# Altium PCB slave.PcbDoc (part 1 of 5) (continued)
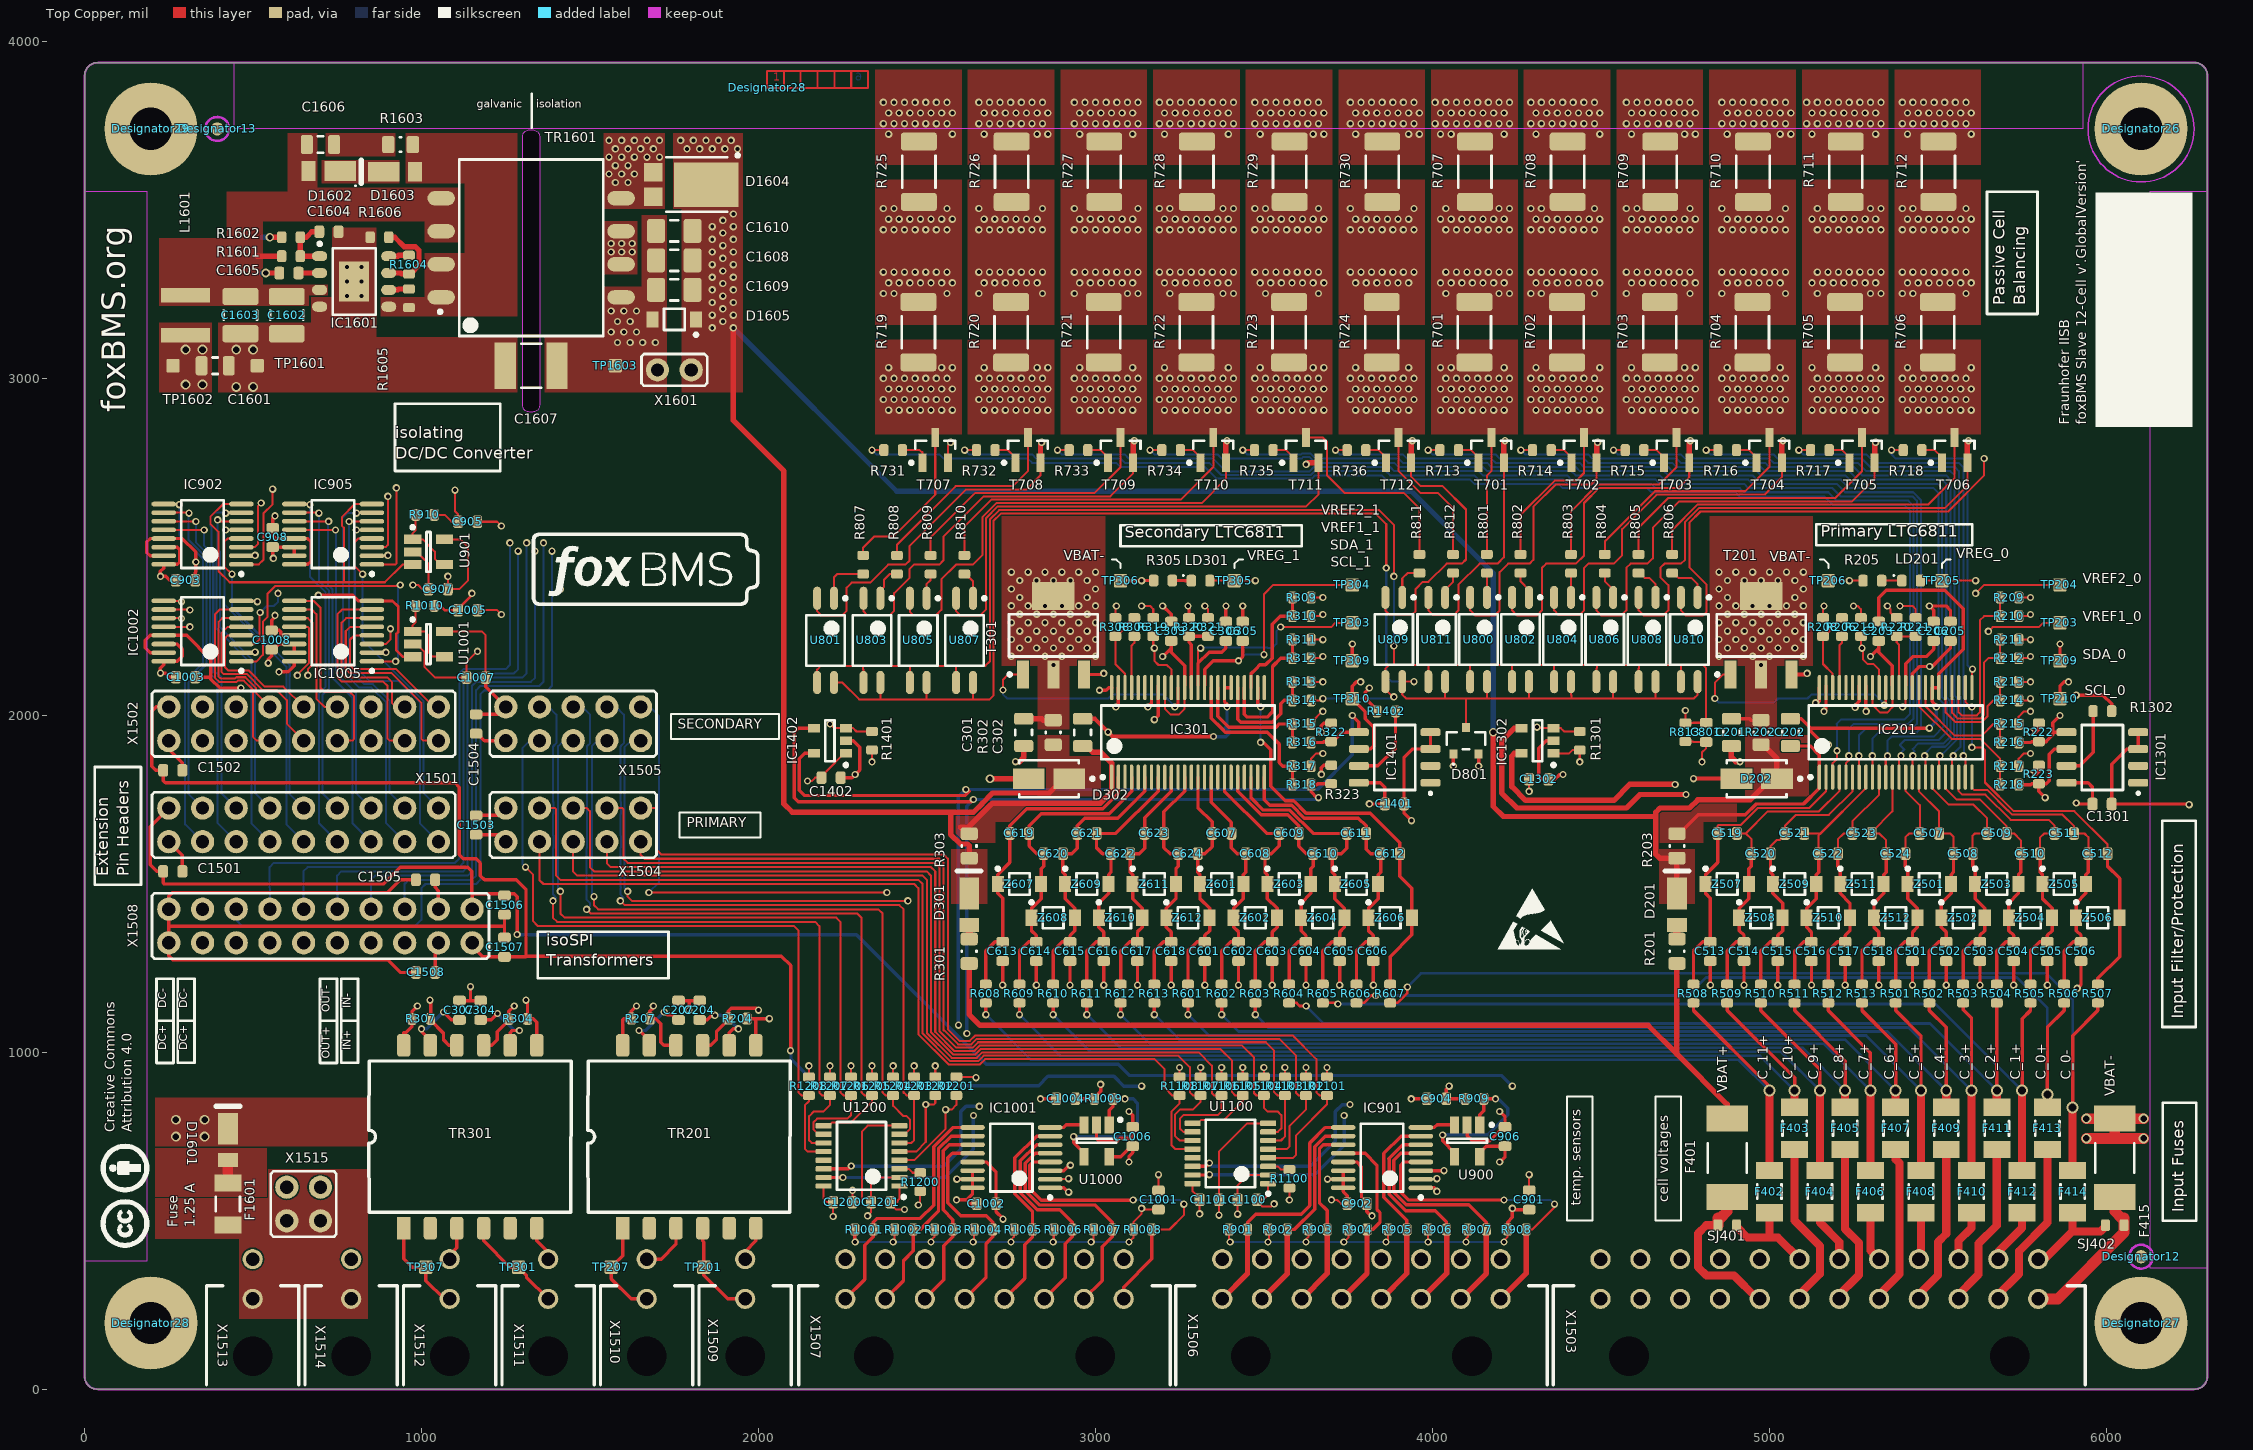
[diagram p0: Top Copper view]
## Components (designator, comment, footprint, x,y, rotation, side; value= is the part's Value field where it differs from the comment) (continued)
R206 "820R" RESC1608X05N 5214.84,2262.01 r270 top locked
R207 "120R" RESC1608X05N 1650,1100 r0 top locked
R208 "1k21" RESC1608X05N 5158.59,2262.01 r270 top locked
R209 "0R" RESC1608X05N 5711.71,2349.51 r180 top locked
R210 "0R" RESC1608X05N 5711.71,2294.51 r180 top locked
R211 "0R" RESC1608X05N 5711.71,2224.51 r180 top locked
R212 "0R" RESC1608X05N 5711.71,2169.51 r180 top locked
R213 "0R" RESC1608X05N 5711.71,2099.51 r180 top locked
R214 "0R" RESC1608X05N 5711.71,2044.51 r180 top locked
R215 "0R" RESC1608X05N 5711.71,1974.51 r180 top locked
R216 "0R" RESC1608X05N 5711.71,1919.51 r180 top locked
R217 "0R" RESC1608X05N 5711.71,1849.51 r180 top locked
R218 "0R" RESC1608X05N 5711.71,1794.51 r180 top locked
R219 "1M" RESC1608X05N 5271.09,2262.01 r90 top locked
R220 "0R" RESC1608X05N 5377.34,2262.01 r270 top locked
R221 "0R" RESC1608X05N 5433.59,2262.01 r90 top locked
R222 "1k2" RESC1608X05N 5799.21,1949.51 r90 top locked
R223 "1k2" RESC1608X05N 5799.21,1824.51 r90 top locked
R301 "0R" RESC2012X05N 2625,1300 r90 top locked
R302 "100R" RESC2012X05N 2874.21,1949.51 r270 top locked
R303 "100R" RESC2012X05N 2625,1612.5 r90 top locked
R304 "120R" RESC1608X05N 1286.71,1099.51 r0 top locked
R305 "270R" RESC1608X05N 3200,2400 r0 top locked
R306 "820R" RESC1608X05N 3114.84,2262.01 r270 top locked
R307 "120R" RESC1608X05N 999.21,1099.51 r0 top locked
R308 "1k21" RESC1608X05N 3058.59,2262.01 r270 top locked
R309 "0R" RESC1608X05N 3611.71,2349.51 r180 top locked
R310 "0R" RESC1608X05N 3611.71,2294.51 r180 top locked
R311 "0R" RESC1608X05N 3611.71,2224.51 r180 top locked
R312 "0R" RESC1608X05N 3611.71,2169.51 r180 top locked
R313 "0R" RESC1608X05N 3611.71,2099.51 r180 top locked
R314 "0R" RESC1608X05N 3611.71,2044.51 r180 top locked
R315 "0R" RESC1608X05N 3611.71,1974.51 r180 top locked
R316 "0R" RESC1608X05N 3611.71,1919.51 r180 top locked
R317 "0R" RESC1608X05N 3611.71,1849.51 r180 top locked
R318 "0R" RESC1608X05N 3611.71,1794.51 r180 top locked
R319 "1M" RESC1608X05N 3171.09,2262.01 r90 top locked
R320 "0R" RESC1608X05N 3277.34,2262.01 r270 top locked
R321 "0R" RESC1608X05N 3333.59,2262.01 r90 top locked
R322 "1k2" RESC1608X05N 3699.21,1949.51 r90 top
R323 "1k2" RESC1608X05N 3699.21,1824.51 r90 top
R501 "100R" RESC1608X05N 5374.21,1174.51 r90 top
R502 "100R" RESC1608X05N 5474.21,1174.51 r90 top
R503 "100R" RESC1608X05N 5574.21,1174.51 r90 top locked
R504 "100R" RESC1608X05N 5674.21,1174.51 r90 top locked
R505 "100R" RESC1608X05N 5774.21,1174.51 r90 top locked
R506 "100R" RESC1608X05N 5874.21,1174.51 r90 top locked
R507 "100R" RESC1608X05N 5974.21,1174.51 r90 top locked
R508 "100R" RESC1608X05N 4774.21,1174.51 r90 top locked
R509 "100R" RESC1608X05N 4874.21,1174.51 r90 top locked
R510 "100R" RESC1608X05N 4974.21,1174.51 r90 top locked
R511 "100R" RESC1608X05N 5074.21,1174.51 r90 top locked
R512 "100R" RESC1608X05N 5174.21,1174.51 r90 top locked
R513 "100R" RESC1608X05N 5274.21,1174.51 r90 top locked
R601 "100R" RESC1608X05N 3274.21,1174.51 r90 top
R602 "100R" RESC1608X05N 3374.21,1174.51 r90 top
R603 "100R" RESC1608X05N 3474.21,1174.51 r90 top locked
R604 "100R" RESC1608X05N 3574.21,1174.51 r90 top locked
R605 "100R" RESC1608X05N 3674.21,1174.51 r90 top
R606 "100R" RESC1608X05N 3774.21,1174.51 r90 top
R607 "100R" RESC1608X05N 3874.21,1174.51 r90 top
R608 "100R" RESC1608X05N 2674.21,1174.51 r90 top locked
R609 "100R" RESC1608X05N 2774.21,1174.51 r90 top
R610 "100R" RESC1608X05N 2874.21,1174.51 r90 top
R611 "100R" RESC1608X05N 2974.21,1174.51 r90 top
R612 "100R" RESC1608X05N 3074.21,1174.51 r90 top
R613 "100R" RESC1608X05N 3174.21,1174.51 r90 top
R701 "68R" RESC5025X07N 4124.21,3137.01 r270 top
R702 "68R" RESC5025X07N 4399.21,3137.01 r270 top
R703 "68R" RESC5025X07N 4674.21,3137.01 r270 top
R704 "68R" RESC5025X07N 4949.21,3137.01 r270 top
R705 "68R" RESC5025X07N 5224.21,3137.01 r270 top
R706 "68R" RESC5025X07N 5499.21,3137.01 r270 top
R707 "68R" RESC5025X07N 4125.79,3612.99 r90 top locked
R708 "68R" RESC5025X07N 4400.79,3612.99 r90 top locked
R709 "68R" RESC5025X07N 4675.79,3612.99 r90 top locked
R710 "68R" RESC5025X07N 4950.79,3612.99 r90 top locked
R711 "68R" RESC5025X07N 5225.79,3612.99 r90 top locked
R712 "68R" RESC5025X07N 5500.79,3612.99 r90 top locked
R713 "3k3" RESC1608X05N 4049.21,2787.01 r180 top locked
R714 "3k3" RESC1608X05N 4324.21,2787.01 r180 top locked
R715 "3k3" RESC1608X05N 4599.21,2787.01 r180 top locked
R716 "3k3" RESC1608X05N 4874.21,2787.01 r180 top locked
R717 "3k3" RESC1608X05N 5149.21,2787.01 r180 top locked
R718 "3k3" RESC1608X05N 5424.21,2787.01 r180 top locked
R719 "68R" RESC5025X07N 2474.21,3137.01 r270 top
R720 "68R" RESC5025X07N 2749.21,3137.01 r270 top
R721 "68R" RESC5025X07N 3024.21,3137.01 r270 top
R722 "68R" RESC5025X07N 3299.21,3137.01 r270 top
R723 "68R" RESC5025X07N 3574.21,3137.01 r270 top
R724 "68R" RESC5025X07N 3849.21,3137.01 r270 top
R725 "68R" RESC5025X07N 2475.79,3612.99 r90 top locked
R726 "68R" RESC5025X07N 2750.79,3612.99 r90 top locked
R727 "68R" RESC5025X07N 3025.79,3612.99 r90 top locked
R728 "68R" RESC5025X07N 3300.79,3612.99 r90 top locked
R729 "68R" RESC5025X07N 3575.79,3612.99 r90 top locked
R730 "68R" RESC5025X07N 3850.79,3612.99 r90 top locked
R731 "3k3" RESC1608X05N 2399.21,2787.01 r180 top locked
R732 "3k3" RESC1608X05N 2674.21,2787.01 r180 top locked
R733 "3k3" RESC1608X05N 2949.21,2787.01 r180 top locked
R734 "3k3" RESC1608X05N 3224.21,2787.01 r180 top locked
R735 "3k3" RESC1608X05N 3499.21,2787.01 r180 top locked
R736 "3k3" RESC1608X05N 3774.21,2787.01 r180 top locked
R801 "150R" RESC1608X05N 4160.92,2450 r270 top locked
R802 "150R" RESC1608X05N 4260.92,2450 r270 top locked
R803 "150R" RESC1608X05N 4410.92,2450 r270 top locked
R804 "150R" RESC1608X05N 4510.92,2450 r270 top locked
R805 "150R" RESC1608X05N 4610.92,2450 r270 top locked
R806 "150R" RESC1608X05N 4710.92,2450 r270 top locked
R807 "150R" RESC1608X05N 2310.52,2446.97 r270 top locked
R808 "150R" RESC1608X05N 2410.52,2446.97 r270 top locked
R809 "150R" RESC1608X05N 2510.52,2446.97 r270 top locked
R810 "150R" RESC1608X05N 2610.52,2446.97 r270 top locked
R811 "150R" RESC1608X05N 3960.92,2450 r270 top locked
R812 "150R" RESC1608X05N 4060.92,2450 r270 top locked
R813 "10k" RESC1608X05N 4750,1950 r270 top locked
R901 "10k" RESC1608X05N 3423.35,474.31 r180 top locked
R902 "10k" RESC1608X05N 3541.46,474.31 r180 top locked
R903 "10k" RESC1608X05N 3659.57,474.31 r180 top locked
R904 "10k" RESC1608X05N 3777.68,474.31 r180 top locked
R905 "10k" RESC1608X05N 3895.79,474.31 r180 top locked
R906 "10k" RESC1608X05N 4013.9,474.31 r180 top locked
R907 "10k" RESC1608X05N 4132.01,474.31 r180 top locked
R908 "10k" RESC1608X05N 4250.12,474.31 r180 top locked
R909 "100R" RESC1608X05N 4124.21,862.01 r180 top locked
R910 "100R" RESC1608X05N 1010,2595 r0 top locked
R1001 "10k" RESC1608X05N 2312.85,474.31 r180 top locked
R1002 "10k" RESC1608X05N 2430.96,474.31 r180 top locked
R1003 "10k" RESC1608X05N 2549.07,474.31 r180 top locked
R1004 "10k" RESC1608X05N 2667.19,474.31 r180 top locked
R1005 "10k" RESC1608X05N 2785.3,474.31 r180 top locked
R1006 "10k" RESC1608X05N 2903.41,474.31 r180 top locked
R1007 "10k" RESC1608X05N 3021.52,474.31 r180 top locked
R1008 "10k" RESC1608X05N 3139.63,474.31 r180 top locked
R1009 "100R" RESC1608X05N 3024.21,862.01 r180 top locked
R1010 "100R" RESC1608X05N 1010,2325 r0 top locked
R1100 "10k" RESC1608X05N 3575,625 r90 top locked
R1101 "10k" RESC1608X05N 3686.71,899.51 r90 top locked
R1102 "10k" RESC1608X05N 3624.21,899.51 r90 top locked
R1103 "10k" RESC1608X05N 3561.71,899.51 r90 top locked
R1104 "10k" RESC1608X05N 3499.21,899.51 r90 top locked
R1105 "10k" RESC1608X05N 3436.71,899.51 r90 top locked
R1106 "10k" RESC1608X05N 3374.21,899.51 r90 top locked
R1107 "10k" RESC1608X05N 3311.71,899.51 r90 top locked
R1108 "10k" RESC1608X05N 3249.21,899.51 r90 top locked
R1200 "10k" RESC1608X05N 2479.67,615.2 r90 top locked
R1201 "10k" RESC1608X05N 2586.71,899.51 r90 top locked
R1202 "10k" RESC1608X05N 2524.21,899.51 r90 top locked
R1203 "10k" RESC1608X05N 2461.71,899.51 r90 top locked
R1204 "10k" RESC1608X05N 2399.21,899.51 r90 top locked
R1205 "10k" RESC1608X05N 2336.71,899.51 r90 top locked
R1206 "10k" RESC1608X05N 2274.21,899.51 r90 top locked
R1207 "10k" RESC1608X05N 2211.71,899.51 r90 top locked
R1208 "10k" RESC1608X05N 2149.21,899.51 r90 top locked
R1301 "10k" RESC1608X05N 4436.71,1924.51 r270 top locked
R1302 "10k" RESC1608X05N 5987.5,2012.5 r0 top locked
R1401 "10k" RESC1608X05N 2336.71,1924.51 r270 top locked
R1402 "10k" RESC1608X05N 3862.5,2012.01 r180 top
R1601 "390k" RESC1608X05N 612.5,3362.5 r180 top locked
R1602 "86k6" RESC1608X05N 612.5,3418.75 r0 top locked
R1603 "39R" RESC2012X05N 937.5,3693.75 r180 top locked
R1604 "115k" RESC1608X05N 962.5,3337.5 r270 top locked
R1605 "127k" RESC1608X05N 962.5,3237.5 r270 top locked
R1606 "10k" RESC1608X05N 875,3418.75 r0 top locked
SJ401 "0R" RESC1608X05N 4874.21,487.01 r0 top locked
SJ402 "0R" RESC1608X05N 6024.21,487.01 r0 top locked
T201 "PBHV8115Z" SOT230P700X180-4N 4975,2237.5 r90 top locked
T301 "PBHV8115Z" SOT230P700X180-4N 2875,2237.5 r90 top locked
T701 "NX2301P,215" NXP-SOT23_N 4174.21,2787.01 r90 top locked
T702 "NX2301P,215" NXP-SOT23_N 4449.21,2787.01 r90 top locked
T703 "NX2301P,215" NXP-SOT23_N 4724.21,2787.01 r90 top locked
T704 "NX2301P,215" NXP-SOT23_N 4999.21,2787.01 r90 top locked
T705 "NX2301P,215" NXP-SOT23_N 5274.21,2787.01 r90 top locked
T706 "NX2301P,215" NXP-SOT23_N 5549.21,2787.01 r90 top locked
T707 "NX2301P,215" NXP-SOT23_N 2524.21,2787.01 r90 top locked
T708 "NX2301P,215" NXP-SOT23_N 2799.21,2787.01 r90 top locked
T709 "NX2301P,215" NXP-SOT23_N 3074.21,2787.01 r90 top locked
T710 "NX2301P,215" NXP-SOT23_N 3349.21,2787.01 r90 top locked
T711 "NX2301P,215" NXP-SOT23_N 3624.21,2787.01 r90 top locked
T712 "NX2301P,215" NXP-SOT23_N 3899.21,2787.01 r90 top locked
TP201 "Testpoint_Square" Testpoint_S1 1837.5,362.5 r90 top locked
TP203 "Testpoint_Square" Testpoint_S1 5861.71,2274.51 r0 top locked
TP204 "Testpoint_Square" Testpoint_S1 5861.71,2387.01 r0 top locked
TP205 "Testpoint_Square" Testpoint_S1 5511.71,2399.51 r180 top
TP206 "Testpoint_Square" Testpoint_S1 5174.21,2399.51 r180 top
TP207 "Testpoint_Square" Testpoint_S1 1562.5,362.5 r90 top locked
TP209 "Testpoint_Square" Testpoint_S1 5861.71,2162.01 r180 top locked
TP210 "Testpoint_Square" Testpoint_S1 5861.71,2049.51 r180 top locked
TP301 "Testpoint_Square" Testpoint_S1 1287.5,362.5 r270 top locked
TP303 "Testpoint_Square" Testpoint_S1 3761.71,2274.51 r180 top locked
TP304 "Testpoint_Square" Testpoint_S1 3761.71,2387.01 r180 top locked
TP305 "Testpoint_Square" Testpoint_S1 3411.71,2399.51 r0 top locked
TP306 "Testpoint_Square" Testpoint_S1 3074.21,2399.51 r180 top
TP307 "Testpoint_Square" Testpoint_S1 1012.5,362.5 r270 top locked
TP309 "Testpoint_Square" Testpoint_S1 3761.71,2162.01 r180 top locked
TP310 "Testpoint_Square" Testpoint_S1 3761.71,2049.51 r180 top locked
TP1601 "Testpoint_Square" Testpoint_S1 512.5,3037.5 r270 top locked
TP1602 "Testpoint_Square" Testpoint_S1 262.5,3037.5 r90 top locked
TP1603 "Testpoint_Square" Testpoint_S1 1575,3037.5 r90 top
TR201 "HM2102NL" HM2102NL 1793.75,750 r90 top locked
TR301 "HM2102NL" HM2102NL 1143.75,750 r90 top locked
TR1601 "WE_750313457" WE_750313457 1325,3387.5 r0 top locked
U800 "ACPL-217" SOIC127P700X220-4N 4136.71,2225 r270 top
U801 "ACPL-217" SOIC127P700X220-4N 2198.81,2222.46 r270 top locked
U802 "ACPL-217" SOIC127P700X220-4N 4260.92,2225 r270 top
U803 "ACPL-217" SOIC127P700X220-4N 2336.31,2222.46 r270 top locked
U804 "ACPL-217" SOIC127P700X220-4N 4385.83,2225 r270 top
U805 "ACPL-217" SOIC127P700X220-4N 2473.81,2222.46 r270 top locked
U806 "ACPL-217" SOIC127P700X220-4N 4510.92,2225 r270 top
U807 "ACPL-217" SOIC127P700X220-4N 2611.31,2222.46 r270 top
U808 "ACPL-217" SOIC127P700X220-4N 4636.71,2225 r270 top
U809 "ACPL-217" SOIC127P700X220-4N 3885,2225 r270 top
U810 "ACPL-217" SOIC127P700X220-4N 4761.61,2225 r270 top
U811 "ACPL-217" SOIC127P700X220-4N 4012.5,2225 r270 top
U900 "AD8628ARTZ-R2" ADI-RJ-5_M 4102.37,737.5 r270 top locked
U901 "AD8628ARTZ-R2" ADI-RJ-5_M 1020.67,2485 r0 top locked
U1000 "AD8628ARTZ-R2" ADI-RJ-5_M 3002.75,737.5 r270 top locked
U1001 "AD8628ARTZ-R2" ADI-RJ-5_M 1020.67,2211.61 r0 top locked
U1100 "TCA6408APWR" PW0016A_L 3400,700 r180 top
U1200 "TCA6408APWR" PW0016A_L 2305.46,692.76 r180 top
X1501 "gen_pinheader_2.54_2x9" Pinheader_2.54_2x9 650,1675 r180 top locked
X1502 "gen_pinheader_2.54_2x9" Pinheader_2.54_2x9 650,1975 r180 top locked
X1503 "molex_microfit_3_12x2_THT" MOLEX_MICROFIT_12x2_THT 5147.8,98.43 r180 top
X1504 "gen_pinheader_2.54_2x5" Pinheader_2.54_2x5 1450,1675 r180 top locked
X1505 "gen_pinheader_2.54_2x5" Pinheader_2.54_2x5 1450,1975 r180 top locked
X1506 "molex_microfit_3_08x2_THT" MOLEX_MICROFIT_08x2_THT 3788.84,98.43 r180 top
X1507 "molex_microfit_3_08x2_THT" MOLEX_MICROFIT_08x2_THT 2670.48,98.43 r180 top
X1508 "gen_pinheader_2.54_2x10" Pinheader_2.54_2x10 700,1375 r180 top locked
X1509 "molex_microfit_3_01x2_THT" MOLEX_MICROFIT_01x2_THT 1960.13,98.43 r180 top
X1510 "molex_microfit_3_01x2_THT" MOLEX_MICROFIT_01x2_THT 1667.87,98.43 r180 top
X1511 "molex_microfit_3_01x2_THT" MOLEX_MICROFIT_01x2_THT 1375.6,98.43 r180 top
X1512 "molex_microfit_3_01x2_THT" MOLEX_MICROFIT_01x2_THT 1083.34,98.43 r180 top
X1513 "molex_microfit_3_01x2_THT" MOLEX_MICROFIT_01x2_THT 498.81,98.43 r180 top
X1514 "molex_microfit_3_01x2_THT" MOLEX_MICROFIT_01x2_THT 791.07,98.43 r180 top
X1515 "samtec_TSW-102-07-G-D" Pinheader_2.54_2x2 650,550 r0 top locked
X1601 "gen_pinheader_2.54_2" Pinheader_2.54_2 1750,3025 r180 top locked
Z501 "MMSZ4692T1G" ONSC-SOD-123-2-425-04_V 5474.21,1499.51 r0 top locked
Z502 "MMSZ4692T1G" ONSC-SOD-123-2-425-04_V 5574.21,1399.51 r0 top locked
Z503 "MMSZ4692T1G" ONSC-SOD-123-2-425-04_V 5674.21,1499.51 r0 top locked
Z504 "MMSZ4692T1G" ONSC-SOD-123-2-425-04_V 5774.21,1399.51 r0 top locked
Z505 "MMSZ4692T1G" ONSC-SOD-123-2-425-04_V 5874.21,1499.51 r0 top locked
Z506 "MMSZ4692T1G" ONSC-SOD-123-2-425-04_V 5974.21,1399.51 r0 top locked
Z507 "MMSZ4692T1G" ONSC-SOD-123-2-425-04_V 4874.21,1499.51 r0 top locked
Z508 "MMSZ4692T1G" ONSC-SOD-123-2-425-04_V 4974.21,1399.51 r0 top locked
Z509 "MMSZ4692T1G" ONSC-SOD-123-2-425-04_V 5074.21,1499.51 r0 top locked
Z510 "MMSZ4692T1G" ONSC-SOD-123-2-425-04_V 5174.21,1399.51 r0 top locked
Z511 "MMSZ4692T1G" ONSC-SOD-123-2-425-04_V 5274.21,1499.51 r0 top locked
Z512 "MMSZ4692T1G" ONSC-SOD-123-2-425-04_V 5374.21,1399.51 r0 top locked
Z601 "MMSZ4692T1G" ONSC-SOD-123-2-425-04_V 3374.21,1499.51 r0 top
Z602 "MMSZ4692T1G" ONSC-SOD-123-2-425-04_V 3474.21,1399.51 r0 top
Z603 "MMSZ4692T1G" ONSC-SOD-123-2-425-04_V 3574.21,1499.51 r0 top
Z604 "MMSZ4692T1G" ONSC-SOD-123-2-425-04_V 3674.21,1399.51 r0 top
Z605 "MMSZ4692T1G" ONSC-SOD-123-2-425-04_V 3774.21,1499.51 r0 top
Z606 "MMSZ4692T1G" ONSC-SOD-123-2-425-04_V 3874.21,1399.51 r0 top locked
Z607 "MMSZ4692T1G" ONSC-SOD-123-2-425-04_V 2774.21,1499.51 r0 top
Z608 "MMSZ4692T1G" ONSC-SOD-123-2-425-04_V 2874.21,1399.51 r0 top
Z609 "MMSZ4692T1G" ONSC-SOD-123-2-425-04_V 2974.21,1499.51 r0 top
Z610 "MMSZ4692T1G" ONSC-SOD-123-2-425-04_V 3074.21,1399.51 r0 top
Z611 "MMSZ4692T1G" ONSC-SOD-123-2-425-04_V 3174.21,1499.51 r0 top
Z612 "MMSZ4692T1G" ONSC-SOD-123-2-425-04_V 3274.21,1399.51 r0 top

## Footprints (in the part's own frame and the unit in brackets; to place one, negate y for a bottom-side part, rotate by r counter-clockwise, add the part's x,y. Pads: shape width x height; smd on the part's side, far side on the other; paste and mask are expansions set on the pad)
ADI-RJ-5_M [mm] "SOT-23, 5-Leads, Body 2.9x1.6mm, Pitch 0.95mm, IPC Low Density"
  rect 1.3x0.7 smd: 1(-1.2,0.95) 2(-1.2,0) 3(-1.2,-0.95) 4(1.2,-0.95) 5(1.2,0.95)
  silkscreen extent -1.32,-1.5 0.15,1.98, body extent -0.85,-1.5 0.85,1.5, height 1.45
ADI-RU-16_M [mm] "SOP, 16-Leads, Body 5x4.4mm, Pitch 0.65mm, IPC Low Density"
  oval 1.85x0.35 smd: 1(-2.925,2.275) 2(-2.925,1.625) 3(-2.925,0.975) 4(-2.925,0.325) 5(-2.925,-0.325) 6(-2.925,-0.975) 7(-2.925,-1.625) 8(-2.925,-2.275) 9(2.925,-2.275) 10(2.925,-1.625) 11(2.925,-0.975) 12(2.925,-0.325) 13(2.925,0.325) 14(2.925,0.975) 15(2.925,1.625) 16(2.925,2.275)
  silkscreen extent -3.05,-2.55 1.6,3.12, body extent -2.25,-2.55 2.25,2.55, height 1.2
CAPC1608X08N [mm] "Chip Capacitor, 2-Leads, Body 1,60x0,80mm, IPC Medium Density"
  rrect50% 0.75x0.95 smd: 1(-0.725,0) 2(0.725,0)
  body extent -0.85,-0.45 0.85,0.45, height 0.8
CAPC2012X14N [mm] "Chip Capacitor, 2-Leads, Body 2,00x1,25mm, IPC Medium Density"
  rrect40% 0.9x1.45 smd: 1(-1.025,0) 2(1.025,0)
  silkscreen extent -0.2,-0.63 0.2,0.63, body extent -1.1,-0.72 1.1,0.72, height 1.45
CAPC3216X18N [mm] "Chip Capacitor, 2-Leads, Body 3,20x1,60mm, IPC Medium Density"
  rrect30% 1.35x1.8 smd: 1(-1.375,0) 2(1.375,0)
  silkscreen extent -0.3,-0.8 0.3,0.8, body extent -1.7,-0.9 1.7,0.9, height 1.8
CAPC3225X25N [mm] "Chip Capacitor, 2-Leads, Body 3,20x2,50mm, IPC Medium Density"
  rrect30% 1.3x2.7 smd: 1(-1.4,0) 2(1.4,0)
  silkscreen extent -0.35,-1.25 0.35,1.25, body extent -1.7,-1.35 1.7,1.35, height 2.5
CAPC4532X16N [mm] "Chip Capacitor, 2-Leads, Body 4,50x3,20mm, IPC Medium Density"
  rect 1.6x3.5 smd: 1(-1.95,0) 2(1.95,0)
  silkscreen extent -0.75,-1.65 0.75,1.65, body extent -2.4,-1.75 2.4,1.75, height 1.55
DIOD-POWERDI123-2_V [mm] "SOD, 2-Leads, Body 2.8x1.78mm"
  rect 1.05x1.5 smd: 1(-1.525,0)
  rect 2.4x1.5 smd: 2(0.85,0)
  silkscreen extent 2.55,-0.89 2.55,0.89, body extent -1.4,-0.89 1.4,0.89, height 1.01
Fiducial_2 [mm] "Fiducial Round 1mm"
  round 1 smd paste-0.5 mask+0.5: 0(0,0)
  Top Copper keep-out circle w0.2: c0,0 r0.9
HM2102NL [mil]
  rect 67.5x40 smd: 1(-271.65,196.85)
  rrect50% 67.5x40 smd: 2(-271.65,117.85) 3(-271.65,38.85) 4(-271.65,-40.15) 5(-271.65,-119.15) 6(-271.65,-198.15) 7(270.85,-198.15) 8(270.85,-119.15) 9(270.85,-40.15) 10(270.85,38.85) 11(270.85,117.85) 12(270.85,196.85)
  silkscreen extent -224,-300 224,300, body extent -224,-299 224,299, height 197
Hole_3.2_Iso [mm]
  round 7 hole 3.2: Hole_3.2(0,0)
layermarker6 [mil]
  Top Copper lines w6: 0,0 0,50 ; 0,0 300,0 ; 0,0 0,50 ; 0,0 300,0 ; 0,50 300,50 ; 0,50 300,50 ; 300,0 300,50 ; 300,0 300,50 ; 50,0 50,50 50,0 ; 100,0 100,50 100,0 ; 150,0 150,50 150,0 ; 200,0 200,50 200,0 ; 250,0 250,50 250,0
  FUSED_VBAT- lines w6: 0,0 300,0 ; 0,0 0,50 ; 0,0 300,0 ; 0,0 0,50 ; 0,50 300,50 ; 0,50 300,50 ; 300,0 300,50 ; 300,0 300,50 ; 50,0 50,50 50,0 ; 100,0 100,50 100,0 ; 150,0 150,50 150,0 ; 200,0 200,50 200,0 ; 250,0 250,50 250,0
  Signal Layer 2 lines w6: 0,0 300,0 ; 0,0 0,50 ; 0,0 300,0 ; 0,0 0,50 ; 0,50 300,50 ; 0,50 300,50 ; 300,0 300,50 ; 300,0 300,50 ; 50,0 50,50 50,0 ; 100,0 100,50 100,0 ; 150,0 150,50 150,0 ; 200,0 200,50 200,0 ; 250,0 250,50 250,0
  Signal Layer 3 lines w6: 0,0 300,0 ; 0,0 0,50 ; 0,0 300,0 ; 0,0 0,50 ; 0,50 300,50 ; 0,50 300,50 ; 300,0 300,50 ; 300,0 300,50 ; 50,0 50,50 50,0 ; 100,0 100,50 100,0 ; 150,0 150,50 150,0 ; 200,0 200,50 200,0 ; 250,0 250,50 250,0
  VREG lines w6: 0,0 300,0 ; 0,0 0,50 ; 0,0 300,0 ; 0,0 0,50 ; 0,50 300,50 ; 0,50 300,50 ; 300,0 300,50 ; 300,0 300,50 ; 50,0 50,50 50,0 ; 100,0 100,50 100,0 ; 150,0 150,50 150,0 ; 200,0 200,50 200,0 ; 250,0 250,50 250,0
  Bot Copper lines w6: 0,0 300,0 ; 0,0 0,50 ; 0,0 300,0 ; 0,0 0,50 ; 0,50 300,50 ; 0,50 300,50 ; 300,0 300,50 ; 300,0 300,50 ; 50,0 50,50 50,0 ; 100,0 100,50 100,0 ; 150,0 150,50 150,0 ; 200,0 200,50 200,0 ; 250,0 250,50 250,0
LEDC1608X07N [mm] "LED, 2-Leads, Body 1,60x0,80mm, IPC Medium Density"
  rrect50% 0.7x0.9 smd: 1(-0.7,0) 2(0.7,0)
  silkscreen extent -1.35,0.35 -1.25,0.45, body extent -0.8,-0.4 0.8,0.4, height 0.7
LITTLEFUSE_448 [mm] "Littlefuse 448 Series, 2-Leads, Body 6,10x2,69mm, IPC Medium Density"
  rect 1.96x3.15 smd: 1(-2.95,0) 2(2.95,0)
  silkscreen extent -1.1,-1.47 1.1,1.48, body extent -3.15,-1.47 3.15,1.47, height 2.94
LITTLEFUSE_466 [mm] "Littlefuse 466 Series, 2-Leads, Body 3,18x1,52mm"
  rect 1.3x2.03 smd: 1(-1.59,0) 2(1.59,0)
  silkscreen extent -0.55,-0.92 0.55,0.91, body extent -1.65,-0.82 1.65,0.82, height 0.66
LT-G-48_L [mm] "SOP, 48-Leads, Body 13.1x5.6mm, Pitch 0.5mm, IPC High Density"
  oval 1.9x0.25 smd: 1(-3.375,5.75) 2(-3.375,5.25) 3(-3.375,4.75) 4(-3.375,4.25) 5(-3.375,3.75) 6(-3.375,3.25) 7(-3.375,2.75) 8(-3.375,2.25) 9(-3.375,1.75) 10(-3.375,1.25) 11(-3.375,0.75) 12(-3.375,0.25) 13(-3.375,-0.25) 14(-3.375,-0.75) 15(-3.375,-1.25) 16(-3.375,-1.75) 17(-3.375,-2.25) 18(-3.375,-2.75) 19(-3.375,-3.25) 20(-3.375,-3.75) 21(-3.375,-4.25) 22(-3.375,-4.75) 23(-3.375,-5.25) 24(-3.375,-5.75) 25(3.375,-5.75) 26(3.375,-5.25) 27(3.375,-4.75) 28(3.375,-4.25) 29(3.375,-3.75) 30(3.375,-3.25) 31(3.375,-2.75) 32(3.375,-2.25) 33(3.375,-1.75) 34(3.375,-1.25) 35(3.375,-0.75) 36(3.375,-0.25) 37(3.375,0.25) 38(3.375,0.75) 39(3.375,1.25) 40(3.375,1.75) 41(3.375,2.25) 42(3.375,2.75) 43(3.375,3.25) 44(3.375,3.75) 45(3.375,4.25) 46(3.375,4.75) 47(3.375,5.25) 48(3.375,5.75)
  silkscreen extent -3.5,-6.55 2.02,6.55, body extent -2.8,-6.55 2.8,6.55, height 2
LT-S8E-8_V [mm] "SOIC, 8-Leads, Body 4.9x3.9mm, Pitch 1.27mm, Thermal Pad 3.25x2.26mm, Recommended"
  oval 1.143x0.76 smd: 1(-2.602,1.905) 2(-2.602,0.635) 3(-2.602,-0.635) 4(-2.602,-1.905) 5(2.601,-1.905) 6(2.601,-0.635) 7(2.601,0.635) 8(2.601,1.905)
  rect 2.26x2.99 smd: 9(0,0)
  silkscreen extent -2.73,-2.5 1.62,2.96, body extent -3.01,-2.45 3.01,2.45, height 1.75
MOLEX_MICROFIT_01x2_THT [mil] "Micro-Fit 3.0 Right Angle Header, 3.00mm Pitch, Dual Row, 2 Circuits, with Snap-in Plastic Peg PCB Lock, Tin, Glow Wire Capable, Black, 43045-0200"
  round 60 hole 40: 1(0,-170) 2(0,-287.99)
  round 39.37 hole 117.99 unplated paste+0 mask+4: ""(0,0)
  silkscreen extent -137,-209 137,85, body extent -141,-301 141,181, height 345
MOLEX_MICROFIT_08x2_THT [mil] "Micro-Fit 3.0 Right Angle Header, 3.00mm Pitch, Dual Row, 16 Circuits, with Snap-in Plastic Peg PCB Lock, Tin, Glow Wire Capable, Black, 43045-1600"
  round 60 hole 40: 1(-412.99,-170) 2(-295,-170) 3(-177.01,-170) 4(-59.02,-170) 5(59.02,-170) 6(177.01,-170) 7(295,-170) 8(412.99,-170) 9(-412.99,-287.99) 10(-295,-287.99) 11(-177.01,-287.99) 12(-59.02,-287.99) 13(59.02,-287.99) 14(177.01,-287.99) 15(295,-287.99) 16(412.99,-287.99)
  round 39.37 hole 117.99 unplated paste+0 mask+4: ""(-328.5,0) ""(328.5,0)
  silkscreen extent -551,-209 551,85, body extent -554,-301 554,181, height 345
MOLEX_MICROFIT_12x2_THT [mil] "Micro-Fit 3.0 Right Angle Header, 3.00mm Pitch, Dual Row, 24 Circuits, with Snap-in Plastic Peg PCB Lock, Tin, Glow Wire Capable, Black, 43045-2400"
  round 60 hole 40: 1(-649.49,-170) 2(-530.98,-170) 3(-412.99,-170) 4(-295,-170) 5(-177.01,-170) 6(-59.02,-170) 7(59.02,-170) 8(177.01,-170) 9(295,-170) 10(412.99,-170) 11(530.98,-170) 12(649.49,-170) 13(-649.49,-287.99) 14(-530.98,-287.99) 15(-412.99,-287.99) 16(-295,-287.99) 17(-177.01,-287.99) 18(-59.02,-287.99) 19(59.02,-287.99) 20(177.01,-287.99) 21(295,-287.99) 22(412.99,-287.99) 23(530.98,-287.99) 24(649.49,-287.99)
  round 39.37 hole 117.99 unplated paste+0 mask+4: ""(-565,0) ""(565,0)
  silkscreen extent -789,-209 790,85, body extent -790,-301 790,181, height 345
NXP-SOT23-3_V [mm] "SOT23, 3-Leads, Body 1.3x2.9mm, Pitch 0.95mm"
  rect 0.6x0.7 smd paste-0.05: 1(0.95,1) 2(-0.95,1) 3(0,-1)
  silkscreen extent -1.45,-0.65 1.45,1.79, body extent -1.45,-0.65 1.45,0.65, height 1.1
NXP-SOT23_N [mm] "SOT23, 3-Leads, Body 3x1.4mm, Pitch 0.95mm, IPC Medium Density"
  rect 1.4x0.6 smd: 1(-0.95,0.95) 2(-0.95,-0.95) 3(0.95,0)
  silkscreen extent -1.07,-1.5 0.7,1.92, body extent -0.7,-1.5 0.7,1.5, height 1.1
ONSC-SOD-123-2-425-04_V [mm] "SOD, 2-Leads, Body 2.69x1.6mm"
  rect 0.91x1.22 smd: 1(-1.635,0) 2(1.635,0)
  silkscreen extent -1.76,-0.8 0.78,1.28, body extent -1.35,-0.8 1.35,0.8, height 1.35
Pinheader_2.54_2 [mm] "Pinheader, 2.54mm, gerade"
  round 1.75 hole 1: 1(-1.27,0) 2(1.27,0)
  silkscreen extent -2.47,-1.2 2.47,1.2, body extent -2.54,-1.27 2.54,1.27, height 8.74
Pinheader_2.54_2x2 [mm] "Pinheader, 2.54mm, gerade, 2-reihig"
  round 1.75 hole 1: 1(-1.27,-1.27) 2(-1.27,1.27) 3(1.27,-1.27) 4(1.27,1.27)
  silkscreen extent -2.47,-2.47 2.47,2.47, body extent -2.54,-2.54 2.54,2.54, height 8.74
Pinheader_2.54_2x5 [mm]
  round 1.75 hole 1: 1(-5.08,-1.27) 2(-5.08,1.27) 3(-2.54,-1.27) 4(-2.54,1.27) 5(0,-1.27) 6(0,1.27) 7(2.54,-1.27) 8(2.54,1.27) 9(5.08,-1.27) 10(5.08,1.27)
  silkscreen extent -6.28,-2.47 6.28,2.47, body extent -6.35,-2.54 6.35,2.54, height 8.74
Pinheader_2.54_2x9 [mm] "Pinheader, 2.54mm, gerade, 2-reihig"
  round 1.75 hole 1: 1(-10.16,-1.27) 2(-10.16,1.27) 3(-7.62,-1.27) 4(-7.62,1.27) 5(-5.08,-1.27) 6(-5.08,1.27) 7(-2.54,-1.27) 8(-2.54,1.27) 9(0,-1.27) 10(0,1.27) 11(2.54,-1.27) 12(2.54,1.27) 13(5.08,-1.27) 14(5.08,1.27) 15(7.62,-1.27) 16(7.62,1.27) 17(10.16,-1.27) 18(10.16,1.27)
  silkscreen extent -11.43,-2.47 11.43,2.47, body extent -11.43,-2.54 11.43,2.54, height 8.74
Pinheader_2.54_2x10 [mm] "Pinheader, 2.54mm, gerade, 2-reihig"
  round 1.75 hole 1: 1(-11.43,-1.27) 2(-11.43,1.27) 3(-8.89,-1.27) 4(-8.89,1.27) 5(-6.35,-1.27) 6(-6.35,1.27) 7(-3.81,-1.27) 8(-3.81,1.27) 9(-1.27,-1.27) 10(-1.27,1.27) 11(1.27,-1.27) 12(1.27,1.27) 13(3.81,-1.27) 14(3.81,1.27) 15(6.35,-1.27) 16(6.35,1.27) 17(8.89,-1.27) 18(8.89,1.27) 19(11.43,-1.27) 20(11.43,1.27)
  silkscreen extent -12.7,-2.47 12.7,2.47, body extent -12.7,-2.54 12.7,2.54, height 8.74
PowerDI5 [mm] "PowerDI5, 3-Leads, Body 3,97x6,50mm"
  rect 4.86x3.36 smd: 1(1.126,0)
  rect 1.39x1.4 smd: 2(-2.856,0.92) 3(-2.856,-0.92)
  silkscreen extent -1.88,-2.05 3.63,2.32, body extent -3.25,-2.02 3.25,2.02, height 1.15
PowerDI123 [mm] "PowerDI123, 2-Leads, Body 1,78x3,70mm, IPC Medium Density"
  rect 2.4x1.5 smd: 1(-0.85,0)
  rect 1.05x1.5 smd: 2(1.525,0)
  silkscreen extent -2.05,1.05 -1.95,1.15, body extent -1.85,-0.96 1.85,0.96, height 1
PW0016A_L [mm] "SOP, 16-Leads, Body 5.1x4.5mm, Pitch 0.65mm, IPC High Density"
  rrect25% 1.2x0.4 smd: 1(-2.85,2.275) 2(-2.85,1.625) 3(-2.85,0.975) 4(-2.85,0.325) 5(-2.85,-0.325) 6(-2.85,-0.975) 7(-2.85,-1.625) 8(-2.85,-2.275) 9(2.85,-2.275) 10(2.85,-1.625) 11(2.85,-0.975) 12(2.85,-0.325) 13(2.85,0.325) 14(2.85,0.975) 15(2.85,1.625) 16(2.85,2.275)
  silkscreen extent -2.98,-2.55 1.85,3.15, body extent -3.21,-2.5 3.21,2.5, height 1
RESC1608X05N [mm] "Chip Resistor, 2-Leads, Body 1,60x0,80mm, IPC Medium Density"
  rrect50% 0.7x0.9 smd: 1(-0.7,0) 2(0.7,0)
  body extent -0.85,-0.45 0.85,0.45, height 0.45
RESC2012X05N [mm] "Chip Resistor, 2-Leads, Body 2,00x1,20mm, IPC Medium Density"
  rrect40% 0.95x1.3 smd: 1(-0.925,0) 2(0.925,0)
  silkscreen extent -0.05,-0.55 0.05,0.55, body extent -1.05,-0.65 1.05,0.65, height 0.5
RESC5025X07N [mm] "Chip Resistor, 2-Leads, Body 5,00x2,50mm, IPC Medium Density"
  rrect30% 1.35x2.7 smd: 1(-2.275,0) 2(2.275,0)
  silkscreen extent -1.2,-1.25 1.2,1.25, body extent -2.6,-1.35 2.6,1.35, height 0.7
SOIC127P600X175-8N [mm] "SOIC, 8-Leads, Body 4,90x3,90mm, Pitch 1,27mm, IPC Medium Density"
  rrect50% 1.5x0.6 smd: 1(-2.7,1.905) 2(-2.7,0.635) 3(-2.7,-0.635) 4(-2.7,-1.905) 5(2.7,-1.905) 6(2.7,-0.635) 7(2.7,0.635) 8(2.7,1.905)
  silkscreen extent -2.8,-2.45 1.55,2.8, body extent -3,-2.45 3,2.45, height 1.75
SOIC127P700X220-4N [mm] "SOIC, 4-Leads, Body 2,60x4,40mm, Pitch 1,27mm, IPC Medium Density"
  oval 1.75x0.6 smd: 1(-3.175,0.635) 2(-3.175,-0.635) 3(3.175,-0.635) 4(3.175,0.635)
  silkscreen extent -3.3,-1.45 1.9,1.61, body extent -3.5,-1.45 3.5,1.45, height 2.2
SOT230P700X180-4N [mm] "SOT223, 4-Leads, Body 6,50x7,00mm (avg), Pitch 2,30mm, IPC Medium Density"
  rect 2.1x0.9 smd: 1(-2.95,2.3) 2(-2.95,0) 3(-2.95,-2.3)
  rect 2.1x3.2 smd: 4(2.95,0)
  silkscreen extent -3.07,-3.35 1.6,3.42, body extent -3.5,-3.35 3.5,3.35, height 1.8
SOT-23-OT5_L [mm] "SOT23, 5-Leads, Body 2.9x1.7mm, Pitch 0.95mm, Lead Span 2.8mm, IPC High Density"
  rect 0.9x0.65 smd: 1(-1.2,0.95) 2(-1.2,0) 3(-1.2,-0.95) 4(1.2,-0.95) 5(1.2,0.95)
  silkscreen extent -1.33,-1.55 0.35,1.95, body extent -0.9,-1.55 0.9,1.55, height 1.45
Testpoint_S1 [mm] "Testpunkt, quardratisch 1mm"
  rrect20% 1x1 smd paste-0.5: 1(0,0)
VISH-DO-214AC-2_N [mm] "DO-214AC, 2-Leads, Body 4.5x2.79mm, IPC Medium Density"
  rect 2.4x1.55 smd: 1(-1.525,0) 2(1.525,0)
  silkscreen extent -3.4,-1.4 2.25,1.4, body extent -2.25,-1.4 2.25,1.39, height 2.29
"WE-LQS 4018" [mm] "SMD Power Inductor, 2-Leads, Body 4.0x4.0mm"
  rect 1.1x3.7 smd: 1(-1.5,0) 2(1.5,0)
  body extent -2,-2 2,2, height 1.78
WE_750313457 [mm] "Würth Elektronik 750313457"
  oval 2.08x1.07 smd: 1(-6.78,-3.735) 2(-6.78,-1.245) 3(-6.78,1.245) 4(-6.78,3.735) 5(6.78,3.735) 6(6.78,1.245) 7(6.78,-1.245) 8(6.78,-3.735)
  silkscreen extent -6.98,-6.65 5.43,6.65, body extent -7.62,-6.65 7.62,6.65, height 11.44

## Part data
C201 C202 C301 C302: library part gen_C_ceramic_100n_100V_X7R_0805, "MLCC", Capacitance=100n, Case EIA=0805, Case Metric=2012, Dielectric=X7R, Rated Voltage=100V, Supplier Part Number 1=2320821, Automotive Qualified=False, Part Number=gen_C_ceramic_100n_100V_X7R_0805, Supplier 1=Farnell
C203 C205 C206 C303 C305 C306 C902 C903 C906 C907 C908 C1002 C1003 C1006 C1007 C1008 C1605: library part gen_C_ceramic_1u_35V_X7R_0603, "MLCC", Capacitance=1u, Case EIA=0603, Case Metric=1608, Dielectric=X7R, PnP Package=C_0603_10, PnP Value=1uF/35V/X7R, Rated Voltage=35V, Supplier Part Number 1=1907508, Automotive Qualified=False, Part Number=gen_C_ceramic_1u_35V_X7R_0603, PnP equipped=x, Supplier 1=Farnell
C204 C207 C304 C307: library part gen_C_ceramic_100p_50V_C0G_0603, "MLCC", Capacitance=100p, Case EIA=0603, Case Metric=1608, Dielectric=C0G, Rated Voltage=50V, Supplier Part Number 1=1414603, Automotive Qualified=False, Part Number=gen_C_ceramic_100p_50V_C0G_0603, Supplier 1=Farnell
C501 C502 C503 C504 C505 C506 C507 C508 C509 C510 C511 C512 C513 C514 C515 C516 C517 C518 C519 C520 C521 C522 C523 C524 C601 C602 C603 C604 C605 C606 C607 C608 C609 C610 C611 C612 C613 C614 C615 C616 C617 C618 C619 C620 C621 C622 C623 C624 C904 C905 C1004 C1005: library part gen_C_ceramic_10n_100V_X7R_0603, "MLCC", Capacitance=10n, Case EIA=0603, Case Metric=1608, Dielectric=X7R, Rated Voltage=100V, Supplier Part Number 1=1865545, Automotive Qualified=False, Part Number=gen_C_ceramic_10n_100V_X7R_0603, Supplier 1=Farnell
C801 C901 C1001 C1100 C1101 C1200 C1201 C1301 C1302 C1401 C1402 C1501 C1502 C1503 C1504 C1505 C1506 C1507 C1508 C1604: library part gen_C_ceramic_100n_50V_X7R_0603, "MLCC", Capacitance=100n, Case EIA=0603, Case Metric=1608, Dielectric=X7R, PnP Package=C_0603_10, PnP Value=100n/50V/X7R, Rated Voltage=50V, Supplier Part Number 1=2525267, Part Number=gen_C_ceramic_100n_50V_X7R_0603, PnP equipped=x, Supplier 1=Farnell, Supplier 2=Digikey, Supplier Part Number 2=490-6049-1-ND
  C801 C901 C1001 C1301 C1302 C1401 C1402 C1501 C1502 C1503 C1504 C1505 C1506 C1507 C1508 C1604: Automotive Qualified=False
  C1100 C1101 C1200 C1201: Automotive Qualified=True, Supplier 3=Farnell, Supplier Part Number 3=2070398
C1601: library part gen_C_ceramic_1u_25V_X7R_0805, "MLCC", Capacitance=1u, Case EIA=0805, Case Metric=2012, Dielectric=X7R, PnP Package=C_0805_10, PnP Value=1uF/25V/X7R, Rated Voltage=25V, Supplier Part Number 1=2070446, Automotive Qualified=False, Part Number=gen_C_ceramic_1u_25V_X7R_0805, PnP equipped=x, Supplier 1=Farnell
C1602 C1603: library part gen_C_ceramic_10u_25V_X7R_1210, "MLCC", Capacitance=10u, Case EIA=1210, Case Metric=3225, Dielectric=X7R, Rated Voltage=25V, Supplier Part Number 1=2070524, Automotive Qualified=False, AVT Set=x, Part Number=gen_C_ceramic_10u_25V_X7R_1210, Supplier 1=Farnell
C1606: library part gen_C_ceramic_470p_100V_X7R_0805, "MLCC", Capacitance=470p, Case EIA=0805, Case Metric=2012, Dielectric=X7R, Rated Voltage=100V, Supplier Part Number 1=1759283, Automotive Qualified=False, Part Number=gen_C_ceramic_470p_100V_X7R_0805, Supplier 1=Farnell
C1607: library part gen_C_ceramic_4n7_1000V_X7R_1812, "MLCC", Capacitance=4n7, Case EIA=1812, Case Metric=4532, Dielectric=X7R, Rated Voltage=1000V, Supplier Part Number 1=1702159, Automotive Qualified=False, Part Number=gen_C_ceramic_4n7_1000V_X7R_1812, Supplier 1=Farnell